# KiCad board traffic_paradise.kicad_pcb (continued)
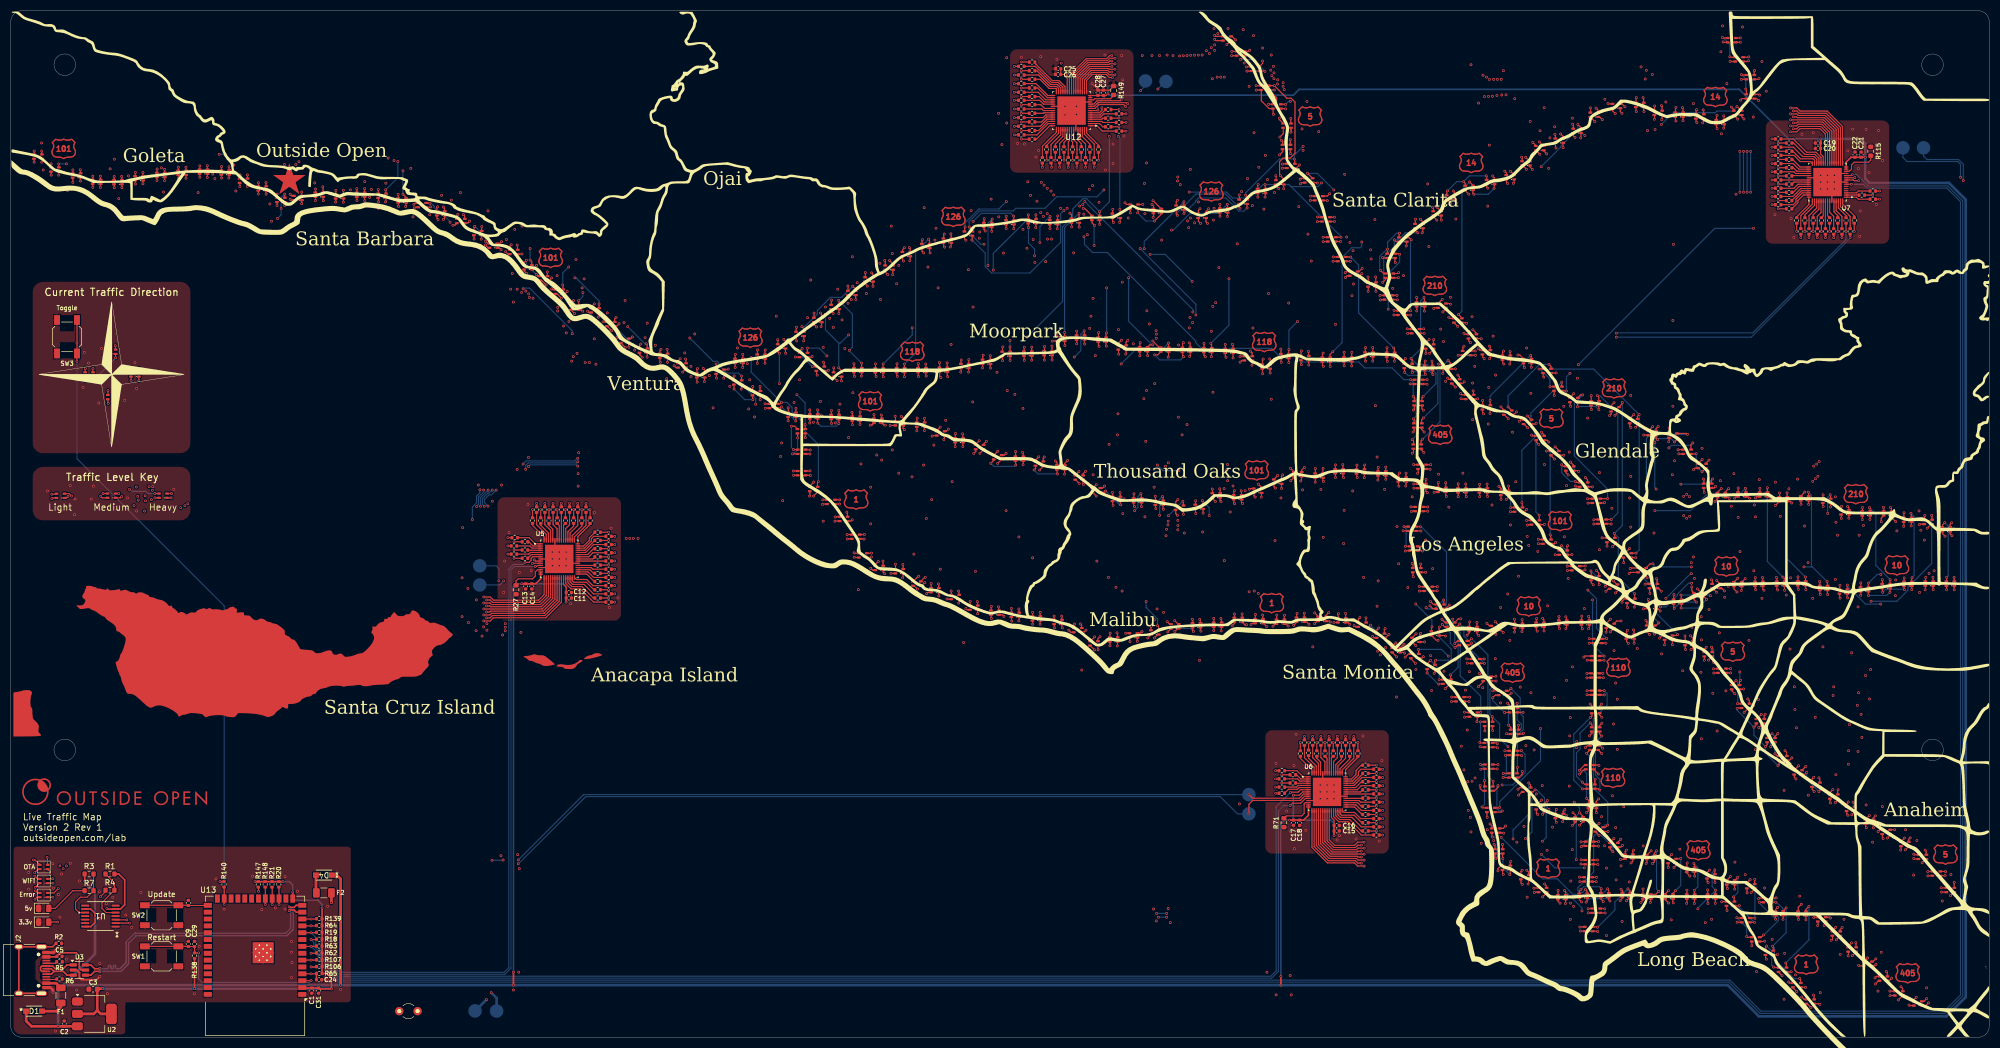
[diagram p0: board, top side]
## Routing (per net, layer and track width the routed paths; a pad name or vN(x,y) marks a point on that pad's centre or on a via; arc(x,y) is an arc through that point) (continued)
  Top w0.2: 340,158.89 U7.9 341.33,158.9 341.48,158.75 v1(342.3,158.75)
  Top w0.203: U13.12 v1(55.63,21.91) 56.58,21.91 56.64,21.98 ; 361.7,158.89 v1(361.7,158.79) ; U12.9 200.83,172.15 201.54,172.86 206.16,172.86 v1(206.52,172.5)
  In1.Cu w0.203: v1(206.52,172.5) 207.25,172.5 210.5,175.75 v1(212.5,175.75) ; 212.26,22.95 v1(212.26,22.95)
  In2.Cu w0.2: 320.14,13.01 328.13,5.02 357.47,5.02 361.7,9.25 v1(361.7,158.79) 361.66,158.75 v1(342.3,158.75)
  In2.Cu w0.203: v1(206.52,172.5) 207.58,171.44 211.24,171.44 214.98,167.7 214.98,151.38 215.61,150.74 215.61,129.8 215.1,129.29 215.1,79.56 212.94,77.4 212.94,23.63 v1(212.26,22.95) 67.6,22.95 63,27.55 57.2,27.55 55.63,25.98 v1(55.63,21.91) ; 320.14,13.01 320.14,13.01 225.37,13.01 215.44,22.95 v1(214.12,22.95)
  Bottom w0.203: v1(212.5,175.75) 213.25,176.5 ; 213.25,176.5 214,177.25 ; 213.25,176.5 213.35,176.5 TP13.1 ; v1(361.7,158.79) 361.7,158.79 361.7,161.8 360.83,162.67 354.98,162.67 354.33,163.33 TP8.1 ; v1(214.12,22.95) v1(212.26,22.95)
/T_SW: length 122.9
  Top w0.203: R140.2 39.53,27.78 U13.25 v1(39.53,24.6) ; SW3.2 v1(12.26,128.68) SW3.2 12.25,126.73 v1(12.25,125.25)
  Bottom w0.203: v1(39.53,24.6) 39.53,79.96 12.26,107.23 12.26,125.24 v1(12.25,125.25) ; 12.23,128.64 v1(12.26,128.68)
Net-(D1-A): length 4.6
  Top w0.5: D1.2 8.51,4.83 9.27,5.59 F1.2
Net-(D2-A): length 13.1
  Top w0.203: v1(16.6,26.05) 17.55,27 R4.2 ; v1(8.7,21.35) 7.04,21.35 D2.2
  In2.Cu w0.203: v1(8.7,21.35) 11.9,21.35 v1(16.6,26.05)
Net-(D3-A): length 8
  Top w0.203: D3.2 8.23,23.88 11.5,27.15 R7.2
Net-(D4-A): length 3.3
  Top w0.5: F2.2 56.53,26.82 D4.2
Net-(F2-Pad1): length 44.5
  Top w0.5: v1(59.4,24.95) F2.1
  In2.Cu w0.5: v1(89,8.25) 72,8.25 62.4,17.85 62.4,21.95 v1(59.4,24.95)
  Bottom w0.5: TP22.1 90,7.25 v1(89,8.25)
Net-(J2-SHIELD): length 20
  Top w0.305: J2.S1 J2.S1 J2.S1 J2.S1 7.75,16.77 R2.1
Net-(LED1-BK): length 167.4
  Top w0.203: 92.71,89.54 v1(92.08,89.54) ; 23.07,159.61 v1(23.07,160.27) ; v1(19.15,159.55) 19.16,159.54 19.16,158.9 ; 11.49,160.12 11.49,160.74 v1(11.5,160.75) ; v1(7.48,161.88) 7.48,161.87 7.48,161.24 ; 27.09,160.22 27.09,160.91 v1(27.1,160.93) ; v1(35.03,161.5) 35.01,161.49 35.01,160.83 ; v1(4.33,164.25) 4.33,164.25 4.33,163.62 ; 31.05,160.63 v1(31.05,161.28) ; 15.2,158.95 v1(15.2,159.6)
  In1.Cu w0.203: v1(23.08,160.28) 23.73,160.93 v1(27.1,160.93) 27.71,160.31 30.09,160.31 v1(31.05,161.28) ; v1(4.33,164.25) 5.35,163.23 6.12,163.23 v1(7.48,161.88) 8.6,160.75 v1(11.5,160.75) 12.65,159.6 v1(15.2,159.6) 15.74,159.06 18.66,159.06 v1(19.15,159.55)
  In2.Cu w0.203: 35.89,160.17 35.89,160.64 v1(35.03,161.5) ; 35.89,160.17 32.15,160.17 v1(31.05,161.28) ; 35.89,160.17 35.89,159.14 42.34,152.69 69.22,152.69 73.37,148.54 82.46,148.54 91.41,139.59 95.38,139.59 97.62,137.35 97.62,105.25 90.09,97.72 90.09,91.52 v1(92.08,89.54) ; v1(23.08,160.28) 19.88,160.28 v1(19.15,159.55)
Net-(LED1-GK): length 167.4
  Top w0.203: v1(27.08,158.78) 27.09,158.79 27.09,159.42 ; v1(7.48,159.8) 7.48,159.8 7.48,160.44 ; R12.2 v1(93.22,88.78) ; 35.01,160.03 35.01,159.39 v1(35.03,159.38) ; 4.33,162.82 4.33,162.2 v1(4.33,162.2) ; 31.05,159.83 v1(31.05,159.18) ; v1(19.18,157.45) 19.16,157.46 19.16,158.1 ; 11.49,159.32 11.49,158.46 v1(11.5,158.45) ; v1(23.1,158.15) 23.07,158.18 23.07,158.81 ; 15.2,158.15 v1(15.2,157.53)
  In1.Cu w0.203: v1(4.33,162.2) 4.33,161.62 6.15,159.8 v1(7.48,159.8) ; v1(11.5,158.45) 12.43,157.53 v1(15.2,157.53) 15.75,158.07 18.55,158.07 v1(19.18,157.45)
  In2.Cu w0.203: v1(19.18,157.45) 19.88,158.15 v1(23.1,158.15) 23.73,158.78 v1(27.08,158.78) 27.62,159.32 31.05,159.32 ; v1(31.05,159.18) 31.05,159.32 ; 31.05,159.32 31.49,159.76 34.64,159.76 v1(35.03,159.38) 35.03,159.32 42.03,152.32 69.07,152.32 73.22,148.17 82.31,148.17 91.26,139.22 95.23,139.22 97.26,137.2 97.26,105.4 89.73,97.87 89.73,91.16 92.11,88.78 v1(93.22,88.78) ; v1(11.5,158.45) 8.83,158.45 v1(7.48,159.8)
Net-(LED1-RK): length 168.5
  Top w0.203: 32.45,159.83 v1(32.45,159.2) ; 20.56,158.1 20.56,157.49 v1(20.58,157.47) ; R11.2 v1(93.22,90.3) ; v1(8.88,159.8) 8.88,159.8 8.88,160.44 ; 36.41,160.03 36.41,159.36 v1(36.4,159.35) ; 28.49,159.42 28.49,158.79 v1(28.5,158.78) ; 24.47,158.81 24.47,158.18 v1(24.48,158.18) ; 5.73,162.82 5.73,162.2 v1(5.73,162.2) ; 16.6,158.15 v1(16.6,157.53) ; 12.89,159.32 12.89,158.71 v1(12.9,158.7)
  In1.Cu w0.203: 19.94,157.47 20.57,157.47 v1(20.58,157.47) ; 19.94,157.47 19.39,156.92 17.21,156.92 v1(16.6,157.53) ; 19.94,157.47 18.91,158.5 13.1,158.5 v1(12.9,158.7) 11.8,159.8 v1(8.88,159.8) 7.84,160.84 7.09,160.84 v1(5.73,162.2) ; v1(24.48,158.18) 25.64,159.34 27.93,159.34 v1(28.5,158.78) 29.45,159.73 31.92,159.73 v1(32.45,159.2) 32.83,158.82 35.87,158.82 v1(36.4,159.35)
  In2.Cu w0.203: v1(24.48,158.18) 23.78,157.47 v1(20.58,157.47) ; v1(36.4,159.35) 36.4,159.25 42.6,153.05 69.37,153.05 73.52,148.9 82.61,148.9 91.56,139.95 95.53,139.95 97.99,137.5 97.99,105.1 90.45,97.57 90.45,91.96 92.11,90.3 v1(93.22,90.3)
Net-(LED10-BK): length 132.6
  Top w0.203: v1(45.88,158.38) 45.88,158.37 45.88,157.73 ; 56.45,156.56 v1(56.45,157.22) ; v1(51.75,156.25) 52.05,155.95 52.49,155.95 ; v1(49.33,156.28) 49.34,156.26 49.34,155.6 ; v1(60.23,156.97) 60.21,156.96 60.21,156.26 ; 39.03,160.68 39.03,161.35 v1(39.05,161.38) ; v1(42.48,159.82) 42.43,159.78 42.43,159.15 ; v1(64.1,157.28) 64.12,157.25 64.12,156.56 ; v1(68.08,157.12) 68.08,157.12 68.08,156.36 ; R16.2 v1(93.22,91.83)
  In1.Cu w0.203: 51.62,156.12 51.23,155.73 49.87,155.73 v1(49.33,156.28) 48.28,157.32 46.93,157.32 v1(45.88,158.38) ; 51.62,156.12 55.35,156.12 v1(56.45,157.22) 56.93,156.74 59.99,156.74 v1(60.23,156.97) 60.72,156.48 63.31,156.48 v1(64.1,157.28) ; 51.62,156.12 v1(51.75,156.25) ; v1(39.05,161.38) 40.6,159.82 v1(42.48,159.82)
  In2.Cu w0.203: 68.89,155.86 68.52,156.22 65.15,156.22 v1(64.1,157.28) ; 68.89,155.86 68.89,154.56 73.82,149.63 82.91,149.63 91.86,140.68 95.83,140.68 98.71,137.8 98.71,104.8 91.18,97.27 91.18,92.76 92.11,91.83 v1(93.22,91.83) ; 68.89,155.86 68.89,156.31 v1(68.08,157.12) ; v1(45.88,158.38) 43.93,158.38 v1(42.48,159.82)
Net-(LED10-GK): length 127.4
  Top w0.203: v1(39.05,159.25) 39.03,159.27 39.03,159.88 ; v1(49.33,154.15) 49.34,154.16 49.34,154.8 ; v1(68.15,154.85) 68.08,154.92 68.08,155.56 ; 45.88,156.93 45.88,156.33 v1(45.85,156.3) ; v1(56.43,155.07) 56.45,155.1 56.45,155.76 ; v1(64.13,155.1) 64.12,155.1 64.12,155.76 ; v1(42.43,157.68) 42.43,157.68 42.43,158.35 ; v1(51.75,155.32) 51.92,155.15 52.49,155.15 ; v1(60.18,154.8) 60.21,154.83 60.21,155.46 ; 92.71,91.06 v1(92.08,91.06)
  In2.Cu w0.203: v1(39.05,159.25) 40.62,157.68 v1(42.43,157.68) 43.8,156.3 v1(45.85,156.3) 46.83,155.32 49.33,155.32 ; v1(92.08,91.06) 90.82,92.32 90.82,97.42 98.35,104.95 98.35,137.65 95.68,140.31 91.71,140.31 82.76,149.26 73.67,149.26 68.15,154.79 ; v1(49.33,154.15) 49.33,155.32 ; 49.33,155.32 v1(51.75,155.32) 56.18,155.32 v1(56.43,155.07) 57,154.5 59.88,154.5 v1(60.18,154.8) 60.67,155.29 63.93,155.29 v1(64.13,155.1) 64.67,154.55 67.92,154.55 68.15,154.79 ; 68.15,154.79 v1(68.15,154.85)
Net-(LED10-RK): length 125.1
  Top w0.203: v1(65.58,155.07) 65.52,155.13 65.52,155.76 ; v1(61.6,154.78) 61.61,154.78 61.61,155.46 ; 57.85,155.76 57.85,155.1 v1(57.9,155.05) ; 43.83,158.35 43.83,157.7 v1(43.83,157.7) ; v1(53.88,154.5) 53.89,154.51 53.89,155.15 ; 47.28,156.93 47.28,156.29 v1(47.3,156.28) ; v1(40.4,159.25) 40.43,159.28 40.43,159.88 ; 69.48,155.56 69.48,154.91 v1(69.4,154.82) ; v1(50.75,154.18) 50.74,154.19 50.74,154.8 ; R14.2 v1(92.08,92.59)
  In1.Cu w0.203: 65.58,155.1 65.05,155.63 62.46,155.63 v1(61.6,154.78) 61.02,155.35 58.2,155.35 v1(57.9,155.05) 57.35,154.5 v1(53.88,154.5) ; 65.58,155.1 v1(65.58,155.07) ; 65.58,155.1 66.75,155.1 67.05,155.41 68.82,155.41 v1(69.4,154.82) ; v1(43.83,157.7) 42.28,159.25 v1(40.4,159.25) ; v1(47.3,156.28) 48.36,155.21 49.71,155.21 v1(50.75,154.18)
  In2.Cu w0.203: v1(50.75,154.18) 51.08,154.5 v1(53.88,154.5) ; v1(69.4,154.82) 74.24,149.99 83.06,149.99 92.01,141.04 95.98,141.04 99.08,137.95 99.08,104.65 91.54,97.12 91.54,93.12 v1(92.08,92.59) ; v1(47.3,156.28) 45.88,157.7 v1(43.83,157.7)
Net-(LED19-BK): length 89.5
  Top w0.203: 98,141.07 97.66,141.07 v1(97.35,141.38) ; v1(85.95,150.3) 85.81,150.16 85.81,149.45 ; 95.11,143.1 95.11,143.61 v1(95.5,144) ; 92.47,145.95 92.47,146.64 v1(92.7,146.88) ; 78.95,153.11 78.95,153.83 v1(79.05,153.93) ; 75.5,154.63 74.93,154.63 v1(74.68,154.38) ; v1(87.95,147.53) 88.36,147.11 88.71,147.11 ; R23.2 v1(96.65,97.79) ; 71.79,155.5 71.79,156.18 v1(71.75,156.22) ; 82.66,151.69 82.66,152.36 v1(82.83,152.53)
  In1.Cu w0.203: v1(71.75,156.22) 72.41,155.57 73.48,155.57 v1(74.68,154.38) ; v1(85.95,150.3) 85.95,151.04 85.1,151.89 83.46,151.89 v1(82.83,152.53) ; v1(95.5,144) 95.5,145.18 94.84,145.83 93.74,145.83 v1(92.7,146.88)
  In2.Cu w0.203: v1(82.83,152.53) 80.45,152.53 v1(79.05,153.93) 78.49,153.37 76.75,153.37 75.74,154.38 v1(74.68,154.38) ; v1(92.7,146.88) 90.31,146.88 89.66,147.53 v1(87.95,147.53) ; v1(96.65,97.79) 96.65,101.46 99.44,104.25 99.44,138.1 97.35,140.19 v1(97.35,141.38)
  Bottom w0.203: v1(87.95,147.53) 87.95,148.3 v1(85.95,150.3) ; v1(97.35,141.38) 95.5,143.22 v1(95.5,144)
Net-(LED19-GK): length 86.3
  Top w0.203: v1(87.92,146.83) 88.44,146.31 88.71,146.31 ; v1(81.9,150.5) 82.28,150.5 82.66,150.89 ; v1(79.15,151.57) 78.95,151.77 78.95,152.31 ; v1(85.83,147.95) 85.81,147.96 85.81,148.65 ; 71.79,154.7 71.79,154.03 v1(71.83,154) ; v1(99.18,139.43) 98.33,140.27 98,140.27 ; v1(95.58,141.55) 95.11,142.02 95.11,142.3 ; v1(91.68,145.6) 92.13,145.15 92.47,145.15 ; 75.5,153.83 74.86,153.83 v1(74.74,153.72) ; R22.2 v1(97.41,98.94)
  In1.Cu w0.203: v1(71.83,154) 72.34,154.52 73.78,154.52 74.58,153.72 v1(74.74,153.72) ; v1(91.68,145.6) 91.51,145.43 89.32,145.43 v1(87.92,146.83) 86.94,146.83 v1(85.83,147.95) 83.28,150.5 v1(81.9,150.5)
  In2.Cu w0.203: 96.47,141.89 97.56,141.89 99.18,140.28 v1(99.18,139.43) 99.18,138.88 99.8,138.25 99.8,103.65 97.41,101.26 v1(97.41,98.94) ; 96.47,141.89 92.75,145.6 v1(91.68,145.6) ; 96.47,141.89 95.91,141.89 v1(95.58,141.55) ; v1(81.9,150.5) 80.23,150.5 v1(79.15,151.57) 76.89,151.57 v1(74.74,153.72)
Net-(LED19-RK): length 88.6
  Top w0.203: v1(85,151.25) 84.64,150.89 84.06,150.89 ; v1(94.7,145.18) 94.67,145.15 93.87,145.15 ; 90.11,146.31 90.49,146.31 v1(90.83,145.97) ; v1(100.18,140.72) 99.72,140.27 99.4,140.27 ; v1(87.15,147.93) 87.21,147.99 87.21,148.65 ; 76.9,153.83 77.75,153.83 v1(77.81,153.89) ; v1(73.15,153.97) 73.19,154.02 73.19,154.7 ; v1(80.15,151.57) 80.35,151.78 80.35,152.31 ; v1(97.4,143.05) 96.65,142.3 96.51,142.3 ; R17.2 v1(98.17,97.79)
  In1.Cu w0.203: v1(80.15,151.57) 77.83,153.89 v1(77.81,153.89) 77.08,153.16 73.97,153.16 v1(73.15,153.97) ; 87.15,148.05 85,150.2 v1(85,151.25) ; 87.15,148.05 v1(87.15,147.93) ; 87.15,148.05 88.75,148.05 v1(90.83,145.97)
  In2.Cu w0.203: v1(80.15,151.57) 84.68,151.57 v1(85,151.25) ; v1(90.83,145.97) 90.99,146.14 93.73,146.14 v1(94.7,145.18) 95.8,145.18 97.4,143.58 v1(97.4,143.05) 97.4,142.56 99.24,140.72 v1(100.18,140.72) 100.8,140.1 100.8,133.88 100.17,133.24 100.17,103.25 98.17,101.26 v1(98.17,97.79)
Net-(LED28-BK): length 84.4
  Top w0.203: 103.8,135.63 103.8,136.07 v1(104.25,136.53) ; v1(120.45,127.5) 120.26,127.3 120.26,126.69 ; 116.5,127.66 116.5,128.27 v1(116.7,128.47) ; v1(109.73,132.6) 110.44,132.6 110.45,132.59 ; v1(127.23,123.93) 127.11,123.81 127.11,123.09 ; 100.9,138.58 100.3,138.58 v1(100.18,138.7) ; v1(124,125.75) 123.66,125.41 123.66,124.91 ; v1(108.1,135.93) 107.56,135.38 107.56,135.13 ; v1(112.25,129.65) 112.88,129.65 113.04,129.49 ; R26.2 v1(98.93,98.94)
  In1.Cu w0.203: v1(120.45,127.5) 122.2,125.75 v1(124,125.75) 124.5,126.25 125.64,126.25 127.23,124.67 v1(127.23,123.93) ; v1(109.73,132.6) 109.73,134.3 v1(108.1,135.93) ; v1(104.25,136.53) 103.7,136.53 101.53,138.7 v1(100.18,138.7) ; 98.93,98.96 v1(98.93,98.94)
  In2.Cu w0.203: v1(112.25,129.65) 113.43,128.47 v1(116.7,128.47) 117.68,127.5 v1(120.45,127.5) ; v1(108.1,135.93) 104.85,135.93 v1(104.25,136.53) 103.96,136.53 100.53,133.09 100.53,102.65 98.93,101.05 v1(98.93,98.94)
  Bottom w0.203: v1(109.73,132.6) 110.43,132.6 112.25,130.78 v1(112.25,129.65)
Net-(LED28-GK): length 83.6
  Top w0.203: v1(106.85,134.57) 107.1,134.33 107.55,134.33 ; 127.11,122.29 127.11,121.46 v1(127.15,121.43) ; v1(122.88,124.45) 123.21,124.11 123.66,124.11 ; v1(104.45,134.12) 103.8,134.78 103.8,134.83 ; v1(111.33,130.95) 110.49,131.79 110.45,131.79 ; v1(113.84,127.85) 113.04,128.65 113.04,128.69 ; v1(102,136.97) 101.2,137.78 100.9,137.78 ; R25.2 v1(99.7,97.79) ; 116.5,126.86 116.5,126.53 v1(116.98,126.05) ; 120.26,125.89 120.26,125.17 v1(120.33,125.1)
  In1.Cu w0.203: v1(106.85,134.57) 106.32,134.05 104.53,134.05 v1(104.45,134.12) 102,136.57 v1(102,136.97) ; v1(122.88,124.45) 120.98,124.45 v1(120.33,125.1) ; v1(113.84,127.85) 113.84,128.88 111.78,130.95 v1(111.33,130.95)
  In2.Cu w0.203: v1(122.88,124.45) 122.88,124.13 125.58,121.43 v1(127.15,121.43) ; v1(120.33,125.1) 117.93,125.1 v1(116.98,126.05) 115.52,126.05 113.84,127.73 v1(113.84,127.85) ; v1(104.45,134.12) 102.08,134.12 100.89,132.94 100.89,102.05 99.7,100.85 v1(99.7,97.79)
  Bottom w0.203: v1(106.85,134.57) 110.48,130.95 v1(111.33,130.95)
Net-(LED28-RK): length 85.4
  Top w0.203: 105.2,134.83 105.69,134.83 v1(105.95,134.57) ; 111.85,131.79 112.24,131.79 v1(112.68,132.22) ; 114.44,128.69 114.44,127.96 v1(114.5,127.9) ; 121.66,125.89 121.66,125.1 v1(121.65,125.1) ; v1(117.88,126.05) 117.9,126.07 117.9,126.86 ; 128.51,122.29 128.51,121.56 v1(128.48,121.53) ; 125.06,124.11 125.06,123.88 v1(124.48,123.3) ; 102.3,137.78 102.63,137.78 v1(103.08,138.22) ; v1(108.83,133.47) 108.96,133.6 108.96,134.33 ; R24.2 v1(100.46,98.94)
  In1.Cu w0.203: v1(117.88,126.05) 116.03,127.9 v1(114.5,127.9) 115.68,129.08 115.68,130.04 115.37,130.35 114.91,130.35 113.04,132.22 v1(112.68,132.22) ; 100.46,98.96 v1(100.46,98.94) ; v1(103.08,138.22) 104.27,138.22 105.95,136.55 v1(105.95,134.57) ; v1(121.65,125.1) 123.01,125.1 124.48,123.64 v1(124.48,123.3) 126.7,123.3 v1(128.48,121.53)
  In2.Cu w0.203: v1(121.65,125.1) 120.7,126.05 v1(117.88,126.05) ; v1(112.68,132.22) 110.95,132.22 109.7,133.47 v1(108.83,133.47) 108.69,133.61 104.99,133.61 ; 104.99,133.61 v1(105.95,134.57) ; 104.99,133.61 102.16,133.61 101.26,132.7 101.26,100.85 100.46,100.05 v1(100.46,98.94)
Net-(LED37-BK): length 111.1
  Top w0.203: v1(148,116.28) 148.04,116.23 148.04,115.47 ; v1(139.73,117.4) 140.57,117.4 140.58,117.4 ; v1(152.03,116.15) 152,116.13 152,115.36 ; 159.93,114.65 159.93,115.37 v1(159.9,115.4) ; v1(155.83,115.83) 155.92,115.73 155.92,115.06 ; v1(101.22,97.79) R30.2 ; v1(134,122.58) 133.97,122.55 133.97,121.77 ; 144.03,115.77 144.03,116.62 v1(144,116.65) ; 130.7,123.75 130.7,124.73 v1(130.65,124.78) ; v1(137.45,120.62) 137.43,120.6 137.43,119.78
  In1.Cu w0.203: v1(159.9,115.4) 159.83,115.33 156.32,115.33 v1(155.83,115.83) 155.64,115.64 152.54,115.64 v1(152.03,116.15) 151.63,115.75 148.52,115.75 v1(148,116.28) 147.78,116.05 144.6,116.05 v1(144,116.65) 143.62,116.27 140.85,116.27 v1(139.73,117.4) 139.73,120.51 139.06,121.18 138,121.18 v1(137.45,120.62) 135.95,120.62 v1(134,122.58)
  In2.Cu w0.203: 130.24,123.42 130.24,124.36 v1(130.65,124.78) ; 130.24,123.42 130.54,123.12 132.93,123.12 133.48,122.58 v1(134,122.58) ; 130.24,123.42 130.24,121.34 129.38,120.48 119,120.48 111.05,128.43 103.38,128.43 101.62,126.67 101.62,100.25 101.22,99.85 v1(101.22,97.79)
Net-(LED37-GK): length 105.1
  Top w0.203: 133.97,120.97 133.97,120.15 v1(133.98,120.15) ; v1(148,113.85) 148.04,113.89 148.04,114.67 ; v1(144,114.25) 144.03,114.28 144.03,114.97 ; v1(139.78,116.58) 139.8,116.6 140.57,116.6 ; 130.7,122.95 130.7,122.2 v1(130.75,122.15) ; v1(159.2,113.45) 159.53,113.45 159.93,113.85 ; 152,114.56 152,113.82 v1(152.05,113.78) ; v1(155.93,113.53) 155.92,113.53 155.92,114.26 ; v1(137.48,118.18) 137.43,118.22 137.43,118.98 ; R29.2 v1(101.98,98.94)
  In1.Cu w0.203: v1(148,113.85) 147.75,114.09 146.27,114.09 145.87,113.7 145.11,113.7 144.56,114.25 v1(144,114.25) 141.36,114.25 139.78,115.84 v1(139.78,116.58) 139.04,116.58 138.88,116.73 138.49,117.12 138.49,117.54 137.86,118.18 v1(137.48,118.18) ; v1(159.2,113.45) 158.55,114.1 156.5,114.1 v1(155.93,113.53) 154.9,114.55 152.7,114.55 152.05,113.9 v1(152.05,113.78)
  In2.Cu w0.203: v1(148,113.85) 148.54,113.31 151.59,113.31 v1(152.05,113.78) ; v1(133.98,120.15) 133.98,121.09 132.34,122.72 131.32,122.72 v1(130.75,122.15) 130.75,121.34 129.53,120.12 118.85,120.12 110.9,128.07 103.62,128.07 101.98,126.43 v1(101.98,98.94)
  Bottom w0.203: v1(137.48,118.18) 135.95,118.18 v1(133.98,120.15)
Net-(LED37-RK): length 107.1
  Top w0.203: 145.43,114.97 145.43,114.23 v1(145.43,114.23) ; v1(102.74,97.79) R28.2 ; 153.41,114.56 153.41,113.75 v1(153.4,113.75) ; 132.1,122.95 132.1,122.18 v1(132.08,122.15) ; 161.33,113.85 161.73,113.45 v1(162,113.45) ; 157.32,114.26 157.32,113.58 v1(157.33,113.58) ; v1(138.83,118.15) 138.83,118.98 ; v1(149.5,113.83) 149.44,113.88 149.44,114.67 ; v1(135.3,120.12) 135.37,120.2 135.37,120.97 ; 141.98,116.6 142.55,116.6 v1(142.78,116.83)
  In1.Cu w0.203: v1(132.08,122.15) 133.28,122.15 v1(135.3,120.12) ; v1(149.5,113.83) 149.5,113.88 148.87,114.52 145.72,114.52 v1(145.43,114.23) ; v1(157.33,113.58) 156.73,112.98 154.17,112.98 v1(153.4,113.75)
  In2.Cu w0.203: v1(157.33,113.58) 157.72,113.97 161.48,113.97 v1(162,113.45) ; v1(135.3,120.12) 136.85,120.12 v1(138.83,118.15) 141.45,118.15 v1(142.78,116.83) ; v1(102.74,97.79) 102.74,98.9 102.34,99.3 102.34,126.19 103.85,127.7 110.75,127.7 118.7,119.75 129.68,119.75 v1(132.08,122.15)
  Bottom w0.203: v1(145.43,114.23) 145.38,114.23 v1(142.78,116.83) ; v1(153.4,113.75) 152.9,113.25 150.07,113.25 v1(149.5,113.83)
Net-(LED55-BK): length 119.9
  Top w0.203: 155.81,93.16 154.94,93.16 v1(154.93,93.18) ; v1(144.6,113.25) 145.23,113.25 145.76,112.72 ; 145.81,108.91 144.99,108.91 v1(144.98,108.93) ; 160.18,87.37 160.18,87.66 v1(160.7,88.18) ; 145.81,104.95 v1(144.98,104.95) ; v1(150.43,99.6) 150.44,99.62 151.24,99.62 ; 148.04,102 148.04,102.19 v1(148.75,102.9) ; v1(152.73,96.43) 152.77,96.47 153.58,96.47 ; 157.14,89.71 156.29,89.71 v1(156.23,89.78) ; R33.2 v1(103.51,98.94)
  In1.Cu w0.203: v1(148.75,102.9) 150.43,101.23 v1(150.43,99.6) 152.73,97.3 v1(152.73,96.43) 154.93,94.23 v1(154.93,93.18) 156.23,91.88 v1(156.23,89.78) ; v1(144.98,108.93) 145.34,108.56 145.34,105.32 v1(144.98,104.95)
  In2.Cu w0.203: v1(144.6,113.25) 144.45,113.1 138.89,113.1 132.6,119.39 118.53,119.39 110.58,127.34 104.09,127.34 102.71,125.96 102.71,99.73 v1(103.51,98.94) ; v1(144.98,104.95) 147.03,102.9 v1(148.75,102.9) ; v1(156.23,89.78) 156.96,89.78 158.56,88.18 v1(160.7,88.18)
  Bottom w0.203: v1(144.6,113.25) 144.6,109.3 v1(144.98,108.93)
Net-(LED55-GK): length 119.5
  Top w0.203: R32.2 v1(104.27,97.79) ; 148.04,101.2 148.04,100.37 v1(147.98,100.3) ; 153.58,95.67 152.69,95.67 v1(152.68,95.65) ; 155.81,92.36 154.97,92.36 v1(154.95,92.35) ; v1(156.25,88.98) 156.31,88.91 157.14,88.91 ; v1(159.3,86.93) 159.65,86.57 160.18,86.57 ; 145.81,108.11 144.84,108.11 v1(144.83,108.12) ; v1(145.75,111.1) 145.76,111.11 145.76,111.92 ; v1(150.38,98.75) 150.44,98.82 151.24,98.82 ; 145.81,104.15 v1(145,104.15)
  In1.Cu w0.203: v1(156.25,88.98) 154.95,90.28 v1(154.95,92.35) 152.68,94.62 v1(152.68,95.65) 150.38,97.95 v1(150.38,98.75) 149.4,98.75 147.98,100.17 v1(147.98,100.3) 145,103.28 v1(145,104.15) 144.46,104.69 144.46,107.76 v1(144.83,108.12) ; v1(107.2,125.05) 106.25,126 104.35,126 v1(104.2,126.15)
  In2.Cu w0.203: v1(107.2,125.05) 107.64,125.49 109.86,125.49 117.77,117.57 131.85,117.57 138.14,111.29 145.56,111.29 v1(145.75,111.1) ; v1(156.25,88.98) 157.25,88.98 v1(159.3,86.93) ; v1(104.27,97.79) 104.27,99.05 103.07,100.25 103.07,125.52 103.7,126.15 v1(104.2,126.15)
  Bottom w0.203: v1(144.83,108.12) 144.95,108.12 145.75,108.92 v1(145.75,111.1)
Net-(LED55-RK): length 122.3
  Top w0.203: 147.21,104.15 148.1,104.15 v1(148.12,104.12) ; 147.21,108.11 148.04,108.11 v1(148.05,108.1) ; v1(155.88,95.9) 155.64,95.67 154.98,95.67 ; v1(158.08,92.33) 158.04,92.36 157.22,92.36 ; 147.16,111.92 147.16,111.17 v1(147.18,111.15) ; v1(161.9,85.9) 161.58,86.22 161.58,86.57 ; R31.2 v1(105.03,98.94) ; 152.64,98.82 153.54,98.82 v1(153.55,98.83) ; 158.54,88.91 159.34,88.91 v1(159.43,89) ; 149.44,101.2 149.44,101.04 v1(148.7,100.3)
  In1.Cu w0.203: v1(106.4,125.05) 105.81,125.64 104.23,125.64 v1(103.9,125.31) ; v1(148.7,100.3) 148.7,101.84 148.12,102.42 v1(148.12,104.12) 148.59,104.59 148.59,107.56 v1(148.05,108.1) 147.18,108.98 v1(147.18,111.15) ; v1(153.55,98.83) 153.55,97.9 155.55,95.9 v1(155.88,95.9) 155.88,94.53 v1(158.08,92.33) 158.08,90.35 v1(159.43,89)
  In2.Cu w0.203: v1(159.43,89) 162.02,89 162.69,88.34 162.69,86.69 v1(161.9,85.9) ; v1(153.55,98.83) 152.08,100.3 v1(148.7,100.3) ; v1(105.03,98.94) 103.43,100.53 103.43,124.84 v1(103.9,125.31) ; v1(106.4,125.05) 107.2,125.85 110.01,125.85 117.93,117.94 132,117.94 138.29,111.65 146.68,111.65 v1(147.18,111.15)
Net-(LED64-BK): length 96.9
  Top w0.203: v1(191.5,128.03) 191.48,128 191.48,127.2 ; v1(180.12,126.43) 180.05,126.35 180.05,125.58 ; v1(187.75,127.9) 187.72,127.87 187.72,127.1 ; 205.2,128.25 205.2,128.65 v1(205.75,129.2) ; v1(197.45,130.88) 197.47,130.85 197.47,130.1 ; R155.2 v1(205.3,168.75) ; 193.81,129.84 193.81,130.59 v1(193.8,130.6) ; 183.7,127.05 183.7,127.88 v1(183.78,127.95) ; 201.48,129.69 201.48,130.56 v1(201.53,130.6) ; v1(176.08,125.53) 176.03,125.48 176.03,124.81
  In1.Cu w0.203: v1(193.8,130.6) 194.35,131.15 197.18,131.15 v1(197.45,130.88) ; v1(205.75,129.2) 206.48,129.92 211.85,129.92 v1(212.24,130.31) ; v1(180.12,126.43) 181.65,127.95 v1(183.78,127.95)
  In2.Cu w0.203: v1(193.8,130.6) 193.73,130.6 191.33,128.2 ; v1(176.08,125.53) 176.98,126.43 v1(180.12,126.43) ; v1(191.5,128.03) 191.33,128.2 ; 191.33,128.2 191.07,128.45 187.75,128.45 ; 187.75,128.45 v1(187.75,127.9) ; 187.75,128.45 184.28,128.45 v1(183.78,127.95) ; v1(205.75,129.2) 203.44,129.2 202.04,130.6 v1(201.53,130.6) 201.32,130.39 197.93,130.39 v1(197.45,130.88) ; v1(205.3,168.75) 206.6,168.75 207.47,169.62 210.49,169.62 212.9,167.21 212.9,148.38 212.5,147.98 212.5,147.51 213.07,146.94 213.07,131.14 v1(212.24,130.31)
Net-(LED64-GK): length 103.7
  Top w0.203: v1(175.98,123.28) 176.03,123.33 176.03,124.01 ; 191.48,126.4 191.48,125.5 v1(191.48,125.5) ; R154.2 v1(206.6,169.55) ; 205.2,127.45 205.2,126.65 v1(205.25,126.6) ; v1(192.93,129.03) 192.94,129.04 193.81,129.04 ; 187.72,126.3 187.72,125.48 v1(187.75,125.45) ; 201.48,128.89 201.48,128.17 v1(201.6,128.05) ; 180.05,124.78 180.05,124.1 v1(180,124.05) ; v1(183.73,125.4) 183.7,125.42 183.7,126.25 ; 197.47,129.3 197.47,128.55 v1(197.45,128.53)
  In1.Cu w0.203: v1(192.93,129.03) 191.77,129.03 190.91,128.16 190.91,126.07 ; 190.91,126.07 188.37,126.07 v1(187.75,125.45) ; 190.91,126.07 v1(191.48,125.5) ; v1(180,124.05) 176.75,124.05 v1(175.98,123.28)
  In2.Cu w0.203: v1(206.6,169.55) 207.04,169.99 210.64,169.99 213.3,167.32 213.3,148.65 213.79,148.16 213.79,130.55 212.8,129.55 212.8,125.65 211.02,123.87 207.98,123.87 v1(205.25,126.6) 203.05,126.6 v1(201.6,128.05) 200.62,129.03 197.45,129.03 ; v1(180,124.05) 181.35,125.4 v1(183.73,125.4) 184.3,125.98 187.22,125.98 v1(187.75,125.45) ; v1(192.93,129.03) 197.45,129.03 ; 197.45,129.03 v1(197.45,128.53)
Net-(LED64-RK): length 96.8
  Top w0.203: 177.43,124.01 177.43,123.28 v1(177.43,123.28) ; v1(195.28,128.22) 195.21,128.29 195.21,129.04 ; v1(202.95,128.1) 202.88,128.17 202.88,128.89 ; 192.88,126.4 192.88,125.55 v1(192.9,125.53) ; 185.1,126.25 185.1,125.47 v1(185.12,125.45) ; 198.87,129.3 198.87,128.55 v1(198.95,128.47) ; R153.2 v1(206.6,167.95) ; 181.45,124.78 181.45,124.08 v1(181.5,124.03) ; 189.12,126.3 189.12,125.51 v1(189.12,125.5) ; 206.6,127.45 206.6,126.68 v1(206.55,126.62)
  In1.Cu w0.203: 203.6,128.75 v1(202.95,128.1) ; 203.6,128.75 205.14,130.29 211.48,130.29 v1(212.16,130.97) ; 203.6,128.75 199.22,128.75 v1(198.95,128.47) ; v1(192.9,125.53) 192.9,125.88 195.25,128.22 v1(195.28,128.22)
  In2.Cu w0.203: v1(195.28,128.22) 195.54,127.96 198.44,127.96 v1(198.95,128.47) ; v1(206.6,167.95) 207.91,169.26 210.34,169.26 212.5,167.1 212.5,148.49 212.1,148.09 212.1,147.4 212.71,146.79 212.71,131.51 v1(212.16,130.97) ; v1(177.43,123.28) 180.75,123.28 v1(181.5,124.03) 183.7,124.03 v1(185.12,125.45) 185.65,124.92 189.12,124.92 ; v1(192.9,125.53) 192.3,124.92 189.12,124.92 ; 189.12,124.92 v1(189.12,125.5) ; v1(206.55,126.62) 205.08,128.1 v1(202.95,128.1)
Net-(LED73-BK): length 138.3
  Top w0.203: v1(167.9,114.75) 167.85,114.7 167.85,113.94 ; 182.13,107.9 182.13,107.9 v1(182.85,108.62) ; 163.89,114.2 163.89,115.03 v1(163.83,115.1) ; v1(172.18,113.08) 171.56,112.46 171.56,112.32 ; 174.97,111.05 174.97,111.84 v1(175.03,111.9) ; v1(179.4,110.55) 178.78,109.93 178.78,109.78 ; v1(186.12,108.55) 186.14,108.53 186.14,107.64 ; v1(190.43,107.58) 189.85,107 189.85,106.73 ; R36.2 v1(106.55,98.94) ; v1(193.5,106.8) 193.81,106.49 193.81,106.02
  In1.Cu w0.203: v1(167.9,114.75) 169.58,113.08 v1(172.18,113.08) 173.35,111.9 v1(175.03,111.9) ; v1(179.4,110.55) 181.25,108.7 182.85,108.7 ; 182.85,108.7 182.93,108.78 185.9,108.78 v1(186.12,108.55) ; 182.85,108.7 v1(182.85,108.62)
  In2.Cu w0.203: 163.83,113.22 v1(163.83,115.1) ; 163.83,113.22 163.83,113 163.2,112.38 138.59,112.38 132.3,118.66 118.23,118.66 110.28,126.61 106.56,126.61 104.16,124.21 104.16,101.2 106.42,98.94 v1(106.55,98.94) ; 163.83,113.22 166.37,113.22 v1(167.9,114.75) ; v1(175.03,111.9) 176.37,110.55 179.4,110.55 v1(179.4,110.55) ; v1(186.12,108.55) 187.1,107.58 v1(190.43,107.58) 191.2,106.8 v1(193.5,106.8)
